# KiCad board MurPhySDR.kicad_pcb (continued)
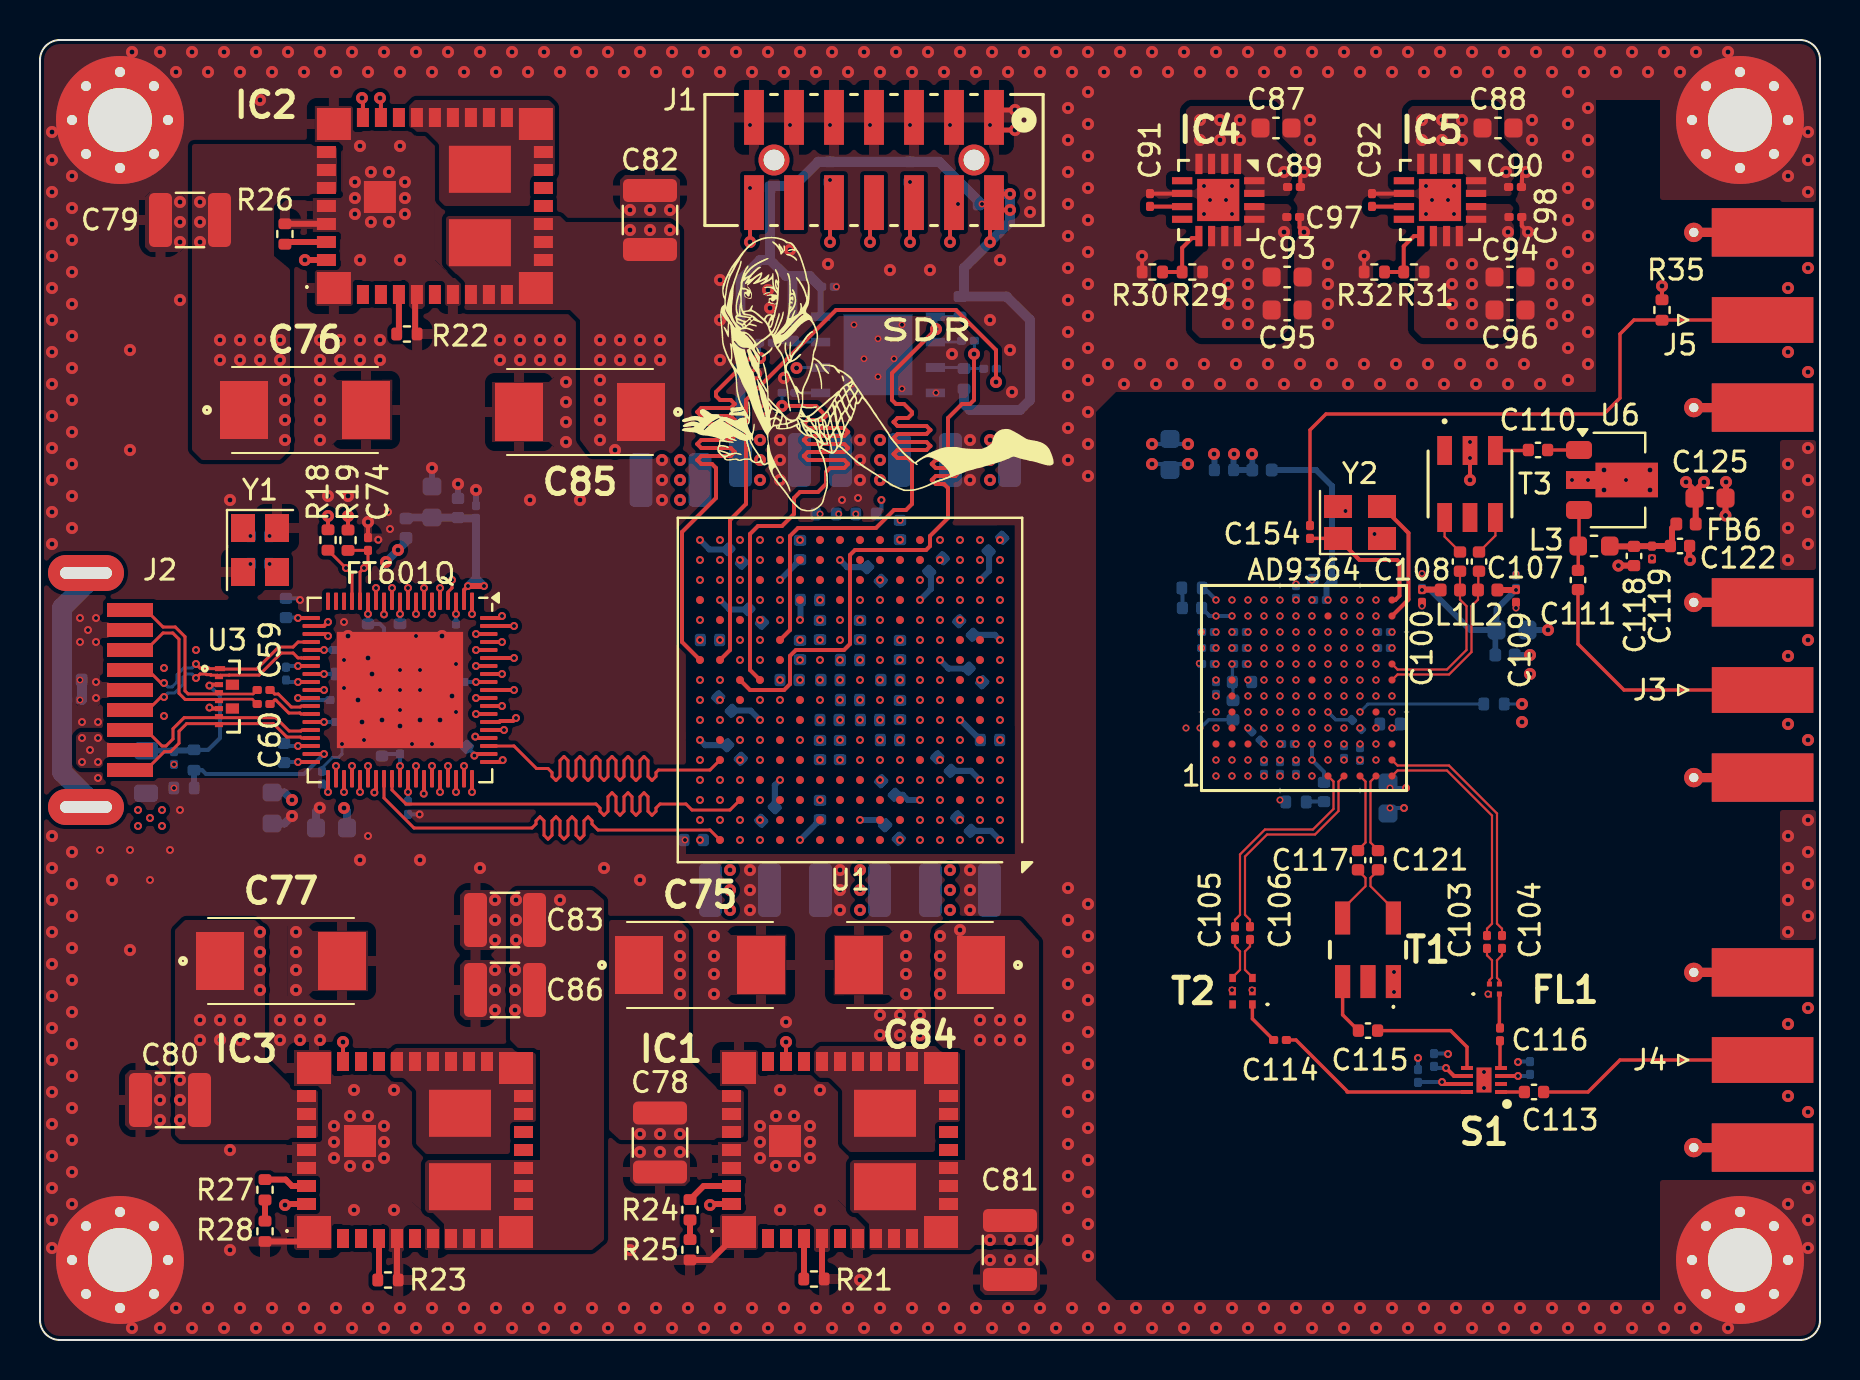
[diagram p0: board, top side]
## Nets (continued)
/AD9364/IO/AD93_XTALN: C154.1 U5.M12 Y2.1
/AD9364/IO/AD93_XTALP: U5.M11 Y2.3
/AD9364/RF/RF_RX-0: C113.1 S1.1
/AD9364/RF/RF_RX-1: C113.2 J4.1
/AD9364/RF/RF_RX-A-0: C116.1 FL1.2
/AD9364/RF/RF_RX-A-1: C116.2 S1.4
/AD9364/RF/RF_RX-B-0: C114.1 T2.1
/AD9364/RF/RF_RX-B-1: C114.2 S1.8
/AD9364/RF/RF_RX-C-0: C115.1 T1.3
/AD9364/RF/RF_RX-C-1: C115.2 S1.5
/AD9364/RF/RF_RX_A_0_N: C104.1 U5.M2
/AD9364/RF/RF_RX_A_0_P: C103.1 U5.M1
/AD9364/RF/RF_RX_A_1_N: C104.2 FL1.3
/AD9364/RF/RF_RX_A_1_P: C103.2 FL1.4
/AD9364/RF/RF_RX_B_0_N: C106.1 U5.J1
/AD9364/RF/RF_RX_B_0_P: C105.1 U5.H1
/AD9364/RF/RF_RX_B_1_N: C106.2 T2.3
/AD9364/RF/RF_RX_B_1_P: C105.2 T2.4
/AD9364/RF/RF_RX_C_0_N: C121.1 U5.L1
/AD9364/RF/RF_RX_C_0_P: C117.1 U5.K1
/AD9364/RF/RF_RX_C_1_N: C121.2 T1.6
/AD9364/RF/RF_RX_C_1_P: C117.2 T1.4
/AD9364/RF/RF_TX-0: C110.1 T3.3
/AD9364/RF/RF_TX-1: C110.2 U6.1
/AD9364/RF/RF_TX-2: C111.1 L3.2 U6.3
/AD9364/RF/RF_TX-3: C111.2 J3.1
/AD9364/RF/RF_TX_0_N: C108.1 L1.2 U5.M8
/AD9364/RF/RF_TX_0_P: C107.1 L2.2 U5.M7
/AD9364/RF/RF_TX_1_N: C108.2 T3.6
/AD9364/RF/RF_TX_1_P: C107.2 T3.4
/FT601Q/FT-X_N: C64.1 U4.21 Y1.3
/FT601Q/FT-X_P: C54.1 U4.22 Y1.1
/FT601Q/FT_USB_SSTX_B_N: C59.2 U4.31
/FT601Q/FT_USB_SSTX_B_P: C60.2 U4.32
/power-supply/PW1.0-PH: IC1.17 IC1.18 IC1.19 IC1.20 IC1.21 IC1.22 IC1.23 IC1.24 IC1.25 IC1.39
/power-supply/PW1.8-PH: IC2.17 IC2.18 IC2.19 IC2.20 IC2.21 IC2.22 IC2.23 IC2.24 IC2.25 IC2.39
/power-supply/PW3.3-PH: IC3.17 IC3.18 IC3.19 IC3.20 IC3.21 IC3.22 IC3.23 IC3.24 IC3.25 IC3.39
FPGA_CFG_CCLK: U1.E8 U2.6
FT_USB_D_N: J2.2 U3.2 U4.25
FT_USB_D_P: J2.3 U3.1 U4.23
FT_USB_SSRX_N: J2.8 U3.7 U4.34
FT_USB_SSRX_P: J2.9 U3.8 U4.35
FT_USB_SSTX_N: C59.1 J2.5 U3.4
FT_USB_SSTX_P: C60.1 J2.6 U3.5
FTDI_BE_0: U1.R15 U4.4
FTDI_BE_1: U1.P15 U4.5
FTDI_BE_2: U1.N14 U4.6
FTDI_BE_3: U1.R13 U4.7
FTDI_CLK: U1.E13 U4.58
FTDI_DATA_0: U1.D16 U4.40
FTDI_DATA_1: U1.B16 U4.41
FTDI_DATA_2: U1.E16 U4.42
FTDI_DATA_3: U1.B15 U4.43
FTDI_DATA_4: U1.G16 U4.44
FTDI_DATA_5: U1.C16 U4.45
FTDI_DATA_6: U1.A15 U4.46
FTDI_DATA_7: U1.C14 U4.47
FTDI_DATA_8: U1.D15 U4.50
FTDI_DATA_9: U1.A14 U4.51
FTDI_DATA_10: U1.G15 U4.52
FTDI_DATA_11: U1.B14 U4.53
FTDI_DATA_12: U1.F14 U4.54
FTDI_DATA_13: U1.C13 U4.55
FTDI_DATA_14: U1.D14 U4.56
FTDI_DATA_15: U1.A13 U4.57
FTDI_DATA_16: U1.E15 U4.60
FTDI_DATA_17: U1.G14 U4.61
FTDI_DATA_18: U1.F13 U4.62
FTDI_DATA_19: U1.H16 U4.63
FTDI_DATA_20: U1.H13 U4.64
FTDI_DATA_21: U1.G12 U4.65
FTDI_DATA_22: U1.J16 U4.66
FTDI_DATA_23: U1.K13 U4.67
FTDI_DATA_24: U1.H12 U4.69
FTDI_DATA_25: U1.J15 U4.70
FTDI_DATA_26: U1.L13 U4.71
FTDI_DATA_27: U1.L14 U4.72
FTDI_DATA_28: U1.M12 U4.73
FTDI_DATA_29: U1.M16 U4.74
FTDI_DATA_30: U1.N12 U4.75
FTDI_DATA_31: U1.N13 U4.76
FTDI_OE: U1.T15 U4.13
FTDI_RD: U1.P16 U4.12
FTDI_RESET: C74.1 R19.2 U1.T13 U4.15
FTDI_RXF: U1.R16 U4.9
FTDI_TXE: U1.P14 U4.8
FTDI_WAKEUP: R18.2 U1.T12 U4.16
FTDI_WR: U1.T14 U4.11
RF-SWITCH_A: C124.1 S1.3 U1.A5
RF-SWITCH_B: C120.1 S1.7 U1.A4
RF-SWITCH_C: C123.1 S1.6 U1.B4
RFE_CLK_OUT: U1.C4 U5.J6
RFE_CTRL_IN0: U1.H1 U5.C5
RFE_CTRL_IN1: U1.H5 U5.C6
RFE_CTRL_IN2: U1.G5 U5.D6
RFE_CTRL_IN3: U1.F4 U5.D5
RFE_CTRL_OUT0: U1.E3 U5.D4
RFE_CTRL_OUT1: U1.E6 U5.E4
RFE_CTRL_OUT2: U1.D1 U5.E5
RFE_CTRL_OUT3: U1.G4 U5.E6
RFE_CTRL_OUT4: U1.F3 U5.F6
RFE_CTRL_OUT5: U1.D5 U5.F5
RFE_CTRL_OUT6: U1.E1 U5.F4
RFE_CTRL_OUT7: U1.D6 U5.G4
RFE_DATA_CLK_P: U1.F5 U5.G11
RFE_EN_AGC: U1.B5 U5.G5
RFE_ENABLE: U1.B1 U5.G6
RFE_FB_CLK_P: U1.D4 U5.F10
RFE_P0D0: U1.P5 U5.E12
RFE_P0D1: U1.M4 U5.D11
RFE_P0D2: U1.N4 U5.E11
RFE_P0D3: U1.L5 U5.D10
RFE_P0D4: U1.M2 U5.E10
RFE_P0D5: U1.L4 U5.D9
RFE_P0D6: U1.M5 U5.E9
RFE_P0D7: U1.J5 U5.D8
RFE_P0D8: U1.K5 U5.E8
RFE_P0D9: U1.J1 U5.D7
RFE_P0D10: U1.M1 U5.F8
RFE_P0D11: U1.H4 U5.E7
RFE_P1D0: U1.T3 U5.K11
RFE_P1D1: U1.T4 U5.J12
RFE_P1D2: U1.P3 U5.K10
RFE_P1D3: U1.R1 U5.J11
RFE_P1D4: U1.T2 U5.K9
RFE_P1D5: U1.P1 U5.J10
RFE_P1D6: U1.R2 U5.K8
RFE_P1D7: U1.R3 U5.J9
RFE_P1D8: U1.J4 U5.K7
RFE_P1D9: U1.K1 U5.J8
RFE_P1D10: U1.G1 U5.J7
RFE_P1D11: U1.N2 U5.H8
RFE_RESETB: R36.2 U1.P4 U5.K5
RFE_RX_FRAME_P: U1.N1 U5.G8
RFE_SPI_CLK: U1.A3 U5.J5
RFE_SPI_DI: U1.C1 U5.J4
RFE_SPI_DO: U1.A2 U5.L6
RFE_SPI_ENB: U1.B2 U5.K6
RFE_TX_FRAME_P: U1.N3 U5.G9
RFE_TXNRX: U1.C2 U5.H4
Net-(C100-Pad1): C99.1 C100.1 C102.1 C109.1 C112.1 FB5.1 L1.1 L2.1
Net-(C118-Pad1): C118.1 C119.1 C122.2 FB6.1 L3.1
Net-(C140-Pad1): C140.1 R33.1
Net-(C141-Pad1): C141.1 R34.1
Net-(IC1-PWRGD): IC1.27 IC2.28
Net-(IC1-RT/CLK): IC1.4 R21.1
Net-(IC1-VADJ): IC1.35 R24.1
Net-(IC2-PWRGD): IC2.27 IC3.28
Net-(IC2-RT/CLK): IC2.4 R22.1
Net-(IC2-VADJ): IC2.35 R26.1
Net-(IC3-RT/CLK): IC3.4 R23.1
Net-(IC3-VADJ): IC3.35 R27.1
Net-(IC4-ADJ): IC4.9 R29.2 R30.1
Net-(IC4-SS): C91.1 IC4.7
Net-(IC5-ADJ): IC5.9 R31.2 R32.1
Net-(IC5-SS): C92.1 IC5.7
Net-(J2-SHIELD): C48.1 FB2.1 J2.10
Net-(J5-In): C154.2 J5.1 R35.1
Net-(R24-Pad2): R24.2 R25.1
Net-(R27-Pad2): R27.2 R28.1
Net-(U1A-IO_L1N_T0_D01_DIN_14): R5.2 U1.J14
Net-(U1A-IO_L1P_T0_D00_MOSI_14): R4.2 U1.J13
Net-(U1A-IO_L2N_T0_D03_14): R7.2 U1.K16
Net-(U1A-IO_L2P_T0_D02_14): R6.2 U1.K15
Net-(U1A-IO_L6P_T0_FCS_B_14): R1.2 U1.L12 U2.1
Net-(U1C-DONE_0): R10.2 U1.H10
Net-(U1C-INIT_B_0): R11.2 U1.K10
Net-(U1C-PROGRAM_B_0): J1.14 R12.2 U1.L9
Net-(U1C-TCK_0): J1.6 R13.2 U1.L7
Net-(U1C-TDI_0): J1.10 R8.2 U1.N7
Net-(U1C-TDO_0): J1.8 U1.N8
Net-(U1C-TMS_0): J1.4 R9.2 U1.M7
Net-(U2-RESET#/SIO3): R2.2 R7.1 U2.7
Net-(U2-SI/SIO0): R4.1 U2.5
Net-(U2-SO/SIO1): R5.1 U2.2
Net-(U2-WP#/SIO2): R3.2 R6.1 U2.3
Net-(U4A-VBUS): R15.1 R16.1 U4.37
Net-(U4B-~{SIWU}): R17.2 U4.10
Net-(U4C-RREF): R14.1 U4.27
Net-(U5E-RX_VCO_LDO_OUT): C141.2 U5.G2 U5.G3
Net-(U5E-TX_VCO_LDO_OUT): C140.2 U5.A11 U5.B11
Net-(U5E-VDD_GPO): C138.1 C145.1 FB7.1 U5.B8
Net-(U5E-VDD_INTERFACE): C139.1 C144.1 FB8.1 U5.H12
Net-(U5H-RBIAS): R37.2 U5.L4

Pads without a net: IC1 2 3 6 15 16 26 28; IC2 2 3 6 15 16 26; IC3 2 3 6 15 16 26 27; IC4 5 8; IC5 5 8; J1 12 15 16; S1 2; T1 2; T2 6; T3 1 5; U1 A7 A8 A9 A10 A12 B6 B7 B9 B10 B11 B12 C3 C6 C7 C8 C9 C11 C12 D3 D8 D9 D10 D11 D13 E2 E5 E11 E12 F2 F12 F15 G2 G11 H2 H3 H11 H14 J3 K2 K3 K12 L2 L3 M6 M14 M15 N6 N9 N11 N16 P6 P8 P9 P10 P11 P13 R5 R6 R7 R8 R10 R11 R12 T5 T7 T8 T9 T10; U3 11 14; U4 17 18 19; U5 A3 B3 B4 B5 B6 B7 C3 G7 H11 L5 M3

## Via types
v1: diameter 0.6, hole 0.25, Top to Bottom, 767 vias
v2: diameter 0.4, hole 0.2, Top to Bottom, 140 vias
v3: diameter 0.35, hole 0.2, Top to Bottom, 373 vias

## Routing (per net, layer and track width the routed paths; a pad name or vN(x,y) marks a point on that pad's centre or on a via; arc(x,y) is an arc through that point)
+1V0: length 26.3
  Top w0.3: IC1.36 33.55,6.8 v1(33.5,6.75)
  In2.Cu w0.3: v1(46,20.5) 46,8.5 44.8,7.3 34.05,7.3 v1(33.5,6.75)
  vias: v1(41,23.5) v1(41,22.5) v1(41,21.5) v1(45,20.2) v1(45,19.2) v1(45,18.3) v1(45,17.3) v1(47,16) v1(47,15) v1(47.5,5) v1(48,16) v1(48,15) v1(48.5,5) v1(49,16) v1(49,15) v1(49.5,5) v3(38,30) v3(39,29) v3(40,34) v3(40,32) v3(40,30) v3(41,35) v3(41,31) v3(41,30) v3(42,30) v3(43,33) v3(43,31)
+1V3_A: length 1
  Bottom w0.2: v2(68.3,27.6) 67.68,27.6 C129.1
  vias: v1(59.4,53.8) v1(59.4,52.8) v1(59.4,51.8) v1(59.4,50.8) v1(60.4,53.8) v1(60.4,52.8) v1(60.4,51.8) v1(60.4,50.8) v1(62.2,55.4) v3(59.6,35.4) v3(59.6,34.6) v3(62,29) v3(62.8,29) v3(65.2,29.8) v3(66,29.8) v3(67.5,27.6)
+1V3_B: length 5
  Bottom w0.15: 66.03,30.6 v3(66,30.6) 66.08,30.6
  Bottom w0.17: FB7.2 59.65,31.01 58.43,31.01 58.02,30.6
  Bottom w0.2: v1(55.6,43.8) 56.2,43.8 C130.1 56.8,43.8 v1(57.4,43.8)
  Bottom w0.3: v1(74.5,34.25) FB5.2 ; C151.1 v3(61.2,29.8)
  vias: v1(70.6,53.8) v1(70.6,52.8) v1(70.6,51.8) v1(70.6,50.8) v1(71.6,53.8) v1(71.6,52.8) v1(71.6,51.8) v1(71.6,50.8) v1(73.4,55.4) v3(58,30.6) v3(58.8,35.4) v3(58.8,34.6) v3(58.8,33.8) v3(58.8,33) v3(61.2,29) v3(62,29.8) v3(62.8,37) v3(67.6,35.4) v3(67.6,34.6)
+1V8: length 29.4
  Top w0.3: 30.9,54.53 30.54,54.53 ; 30.5,54.56 30.51,54.55 ; 30.47,54.53 30.49,54.53 ; IC2.36 v1(13.25,54)
  In2.Cu w0.3: v1(28.75,44.5) 27.62,44.5 27.2,44.93 27.2,52.05 26,53.25 14,53.25 v1(13.25,54)
  Bottom w0.15: R36.1 v1(74.1,31.8)
  Bottom w0.3: v1(59.7,44.3) 59.68,44.28 C150.1 60.62,43.5 60.62,44.28 v1(60.6,44.3)
  Bottom w0.5: 48.47,43.75 48.25,43.75 48.25,43.97 48.47,43.75 ; 48.47,43.75 48.43,43.8
  vias: v1(28,50) v1(28,49) v1(28,48) v1(28,47) v1(28,46) v1(28,45) v1(29,50) v1(29,49) v1(29.5,55.5) v1(30,50) v1(30,49) v1(30.5,55.5) v1(31,50) v1(31,49) v1(31.5,55.5) v1(42,45) v1(42,44) v1(42,43) v1(45.5,23.5) v1(45.5,22.5) v1(45.5,21.5) v1(47.5,45) v1(47.5,44) v1(47.5,43) v1(58,61) v1(58,60) v1(59,61) v1(59,60) v1(60,61) v1(60,60) v1(62.2,58.4) v1(69.1,61) v1(69.1,60) v1(70.1,61) v1(70.1,60) v1(71.1,61) v1(71.1,60) v1(73.3,58.4) v3(38,34) v3(39,35) v3(39,33) v3(39,31) v3(42,28) v3(43,40.98) v3(43,25) v3(45,39) v3(45,29) v3(46,36) v3(46,26) v3(47,33) v3(48,40) v3(48,30)
+1Vcore-FT: length 41.7
  Top w0.2: 18,28.5 v2(18,28.7) U4.48 ; U4.39 v2(14.4,27.4) ; 13.1,32.1 v2(12.9,32.1) U4.30 ; U4.33 v2(14.2,30.9) 14,30.9 ; U4.3 v2(20.8,36.3)
  In5.Cu w0.4: v2(20.8,36.3) 20.8,34.8 20.2,34.2 17.88,34.2 15.6,36.48 15.6,37.2 ; v2(18,28.7) 18,27.8 16.8,26.6 v1(15.2,26.6) v2(14.4,27.4) 13.76,28.04 13.76,29.96 14.2,30.4 v2(14.2,30.9) 13.3,30.9 12.9,31.3 v2(12.9,32.1) 13.6,32.8 13.6,36.2 14.6,37.2 15.6,37.2 ; 15.6,37.2 v1(17.3,38.9) v1(17.9,39.5)
  Bottom w0.2: C66.1 13,32 v2(12.9,32.1) ; C53.1 17.2,29.3 C63.1 v2(18,28.7) ; C70.1 14.4,27.5 v2(14.4,27.4) ; C57.1 v2(20.8,36.3) ; v2(14.2,30.9) C68.1
  Bottom w0.3: v1(17.3,38.9) 17.2,38.8
  Bottom w0.4: v1(17.3,38.9) 18.3,39.9 FB3.1 ; C50.1 15.35,26.45 v1(15.2,26.6)
+3V3: length 115.7
  Top w0.2: 47.5,56.87 47.87,56.5 v1(48.5,56.5) ; 47.5,56.87 v1(47.5,54.9) ; 47.5,56.87 47.93,57.3 v1(48.5,57.3) ; 13.1,36.1 v2(12.9,36.1) U4.20 ; U4.38 v2(12.9,28.9) 13.1,28.9 ; R18.1 v1(14.4,41.2) ; v2(21.72,29.22) 21.75,29.22 21.83,29.3 ; 18.4,27.6 v2(18.4,27.4) U4.49 ; U4.28 v2(12.9,32.9) 13.1,32.9 ; 21.83,29.3 U4.59 ; 21.83,29.3 22,29.3 ; R19.1 v1(15.4,41.2) ; U4.68 v2(21.8,32.9) ; U4.14 v2(16.4,36.3) 16.4,36.5 ; U4.24 14,34.5
  Top w0.3: IC3.36 12.3,6.8 v1(12.25,6.75)
  In2.Cu w0.3: v1(26,22) 26,9 24.3,7.3 12.8,7.3 v1(12.25,6.75)
  In5.Cu w0.3: v3(39,27) 40,27 v3(42,29) ; v3(43,35) 42.5,34.5 40.8,34.5 40.5,34.8 40.5,35.5 v3(40,36) v3(39,37) 39,37.6 39.4,38 v3(42,38)
  Bottom w0.2: 12.3,32.88 12.32,32.9 v2(12.9,32.9) ; v2(21.8,32.9) C73.1 ; v2(12.9,36.1) 12.88,36.12 C62.1 ; v2(16.4,36.3) 16.4,36 ; C52.1 17,35.8 17.2,35.6 17.2,35 17.41,34.79 R17.1 ; C67.1 12.23,28.9 v2(12.9,28.9) ; C56.1 v2(14.2,34.5) ; C71.1 21.72,29.28 v2(21.72,29.22) ; C69.1 v2(18.4,27.4)
  Bottom w0.3: U2.8 39.03,52.55
  Bottom w0.4: v1(12.6,27) 12.22,27.38 C49.1
  Bottom w0.5: v3(47.1,56.8) 47.4,56.8 47.9,57.3 v1(48.5,57.3) v1(48.5,56.5) 48.5,55.9 v1(47.5,54.9) 46.2,53.6 46.2,52.17 48.33,52.17 49.5,51 49.5,47 49,46.5 46.5,46.5 46.2,46.8 R3.1 ; C1.1 35.03,53.03 36,54 36.5,54 ; 36.5,54 37.3,53.2 38.48,53.2 ; 36.5,54 36.5,57.69 36.51,57.7 37.7,57.7 38.91,58.91 R8.1 R13.1 44.96,58.91 46.91,56.96 R9.1 ; 38.48,53.2 37.7,53.2 37.62,53.12 R2.1 ; 38.48,53.2 39.02,52.66
  vias: v1(23.8,22) v1(23.8,21) v1(23.8,20) v1(23.75,18.5) v1(23.75,17.5) v1(23.75,16.5) v1(32,44) v1(32,43) v1(32,42) v1(34.5,23.5) v1(34.5,22.5) v1(34.5,21.5) v1(36,45) v1(36,44) v1(36,43) v3(33,35) v3(33,25) v3(34,32) v3(35,39) v3(35,29) v3(36,36) v3(36,26) v3(37,33) v3(38,40) v3(39.93,41.3) v3(40.79,41.3)
+5V: length 3.3
  Top w0.3: C125.1 82.72,42.43 v1(83.2,42.9) ; C125.1 82.78,42.04 82.78,40.8 ; C125.1 82.72,42.47 v1(82.3,42.9)
  vias: v1(7,13) v1(7,12) v1(7,11) v1(8,56.9) v1(8,55.9) v1(8,54.9) v1(8,16) v1(8,15) v1(9,50) v1(9,49) v1(9,16) v1(9,15) v1(10,50) v1(10,49) v1(10,16) v1(10,15) v1(11,50) v1(11,49) v1(11,20.4) v1(11,19.4) v1(11,18.5) v1(11,17.5) v1(12,50) v1(12,49) v1(12.25,48) v1(12.25,47) v1(12.25,46) v1(12.25,45) v1(30,10.3) v1(31,10.3) v1(32,20.2) v1(32,19.2) v1(32,18.3) v1(32,17.3) v1(32,10.3) v2(4.9,26.5) v2(4.9,25.7) v2(5.5,26.1) v2(6.1,26.5) v2(6.1,25.7)
AVDD_FT: length 9.6
  Top w0.2: U4.2 21.2,37.5 v2(21.4,37.7)
  Top w0.3: v2(21.4,37.7) v2(22.2,37.7)
  Bottom w0.3: 19.91,41.12 19.7,41.32
  Bottom w0.4: v2(22.2,37.7) 21.8,38.1 ; 21.8,38.1 C61.1 20.94,41.08 C55.1 19.6,41.12 C51.1 18.35,41.12 FB3.2 ; 21.8,38.1 v2(21.4,37.7)
GND: length 89.1
  Top w0.2: v1(66.21,54.21) R32.2 ; 21.6,36.5 U4.1 v2(21.6,36.3) ; U4.29 v2(14.2,32.5) 14,32.5 ; 63.14,57.65 63.02,57.77 63.02,58.22 v1(63.2,58.4) ; v2(8.47,31.62) 8.52,31.57 U3.6 ; v1(74.4,55.4) 74.09,55.71 C98.2 ; IC4.6 57.1,57.32 C91.2 ; C90.2 74.1,57.68 74.1,58.2 74.24,58.34 ; U4.36 v2(12.9,29.7) 13.1,29.7 ; R30.2 55.11,54.19 v1(55.1,54.2) ; C97.2 62.98,55.62 v1(63.2,55.4) ; 36.85,43.06 37.04,42.87 ; C92.2 68.19,57.32 IC5.6 ; U4.26 v2(12.9,33.7) 13.1,33.7 ; 16.4,40.18 v1(16.4,40.9) ; v3(71.5,44.1) v1(71.5,43) ; R35.2 v1(81.1,52.7)
  Top w0.25: v1(48.75,60.5) 47.75,60.5 v3(47.5,60.75) ; 47.5,61.13 47.87,61.5 v1(48.75,61.5)
  Top w0.3: R21.2 39.1,3.16 IC1.5 ; v1(84.28,41.22) C125.2 84.3,42.12 v1(84.3,42.9) ; R26.2 14.31,55.81 ; IC1.1 33.55,4 R25.2 ; 18.76,50.3 18.76,52.18 ; IC3.1 13.22,4.93 R28.2 ; v1(82.5,39) 82.46,39.04 82.46,39.7 ; v1(78.92,38.72) C118.2 ; IC3.5 17.85,3.09
  Bottom w0.15: v2(15.1,29.8) 15.1,29.3 14.93,29.12 14.62,29.12 14.1,28.6 C70.2
  Bottom w0.17: 65.57,31.03 65.56,31.01 64.79,31.01 v3(64.4,31.4)
  Bottom w0.2: C56.2 15.32,35.12 v1(15.4,35.2) ; v2(12.9,29.7) 12.33,29.7 C67.2 ; 68.1,26.6 67.68,26.6 C129.2 ; C123.2 70.38,14.32 v2(70.4,14.3) ; C66.2 v1(15.9,32) ; R33.2 58.2,37.6 v3(58.8,37) ; v1(57.4,44.8) 56.75,44.8 56.65,44.9 56.4,44.9 56.4,45.15 C130.2 56.25,44.8 v1(55.6,44.8) ; C62.2 12.92,37.08 v2(13,37) ; v1(20.1,35.2) 20.14,35.16 C57.2 ; v1(20.6,32.2) 20.56,32.24 C73.2 ; v2(12.9,33.7) 12.48,33.7 ; C120.2 v2(68.9,14.1) ; C53.2 v1(17.1,31) ; v2(73.9,13.9) 73.92,13.92 C124.2 ; C63.2 v1(18,30.7) ; C71.2 v1(20,31) ; C69.2 v2(18.98,26.28) ; C52.2 v1(16.4,34.1) ; R14.2 v1(16.6,33.3) ; C68.2 v1(16.1,30.9)
  Bottom w0.25: v3(67.6,30.6) 67.81,30.6 R37.1
  Bottom w0.3: 34.42,39.58 34.37,39.53 33.47,39.53 v3(33,40) ; C11.2 47.46,39.41 47.46,38.46 v3(47,38) ; v3(46,31) 46.02,31 C27.2 ; C13.2 40.36,38.64 v3(40,39) ; C150.2 58.72,44.28 v1(58.7,44.3) ; 21.8,41.78 v1(21.8,42.5) ; C51.2 v1(19.6,43.6) ; C31.2 42.16,25.74 41.9,26 v3(41,26) ; C39.2 47.54,25.46 v3(48,25) ; v3(38,25) 39,26 C30.2 ; v3(44,27) 43.4,27 43.14,27.26 C36.2 ; v3(37,28) 36.74,27.74 C28.2 ; v3(36,31) 35.53,31.47 34.65,31.47 34.64,31.46 ; v3(44,37) 44.54,37.54 44.54,38.28 44.36,38.46 ; C16.2 38.02,36.02 v3(38,36) ; v3(47,28) 46.54,28.46 C29.2 ; 35.42,36.58 35.37,36.53 34.47,36.53 v3(34,37) ; C99.2 v1(75.4,35.5) ; v3(48,35) 47.74,35.26 C21.2 ; C33.2 45.43,33.57 v3(45,34) ; C20.2 38,39 v3(37,38) ; C26.2 33.26,29.74 v3(33,30) ; v1(20.9,42.8) C55.2
  Bottom w0.4: 13.8,25.8 13.8,26.43 v1(13.99,26.61) ; C49.2 12.22,25.82 v1(12.6,26.2)
  Bottom w0.5: 2.1,32 2.1,32.99 FB2.2
  vias: v1(0.6,60.4) v1(0.6,59) v1(0.6,57.4) v1(0.6,55.8) v1(0.6,54.2) v1(0.6,52.6) v1(0.6,51) v1(0.6,49.4) v1(0.6,47.8) v1(0.6,46.2) v1(0.6,44.6) v1(0.6,43) v1(0.6,41.4) v1(0.6,39.8) v1(0.6,25.2) v1(0.6,23.6) v1(0.6,22) v1(0.6,20.4) v1(0.6,18.8) v1(0.6,17.2) v1(0.6,15.6) v1(0.6,14) v1(0.6,12.4) v1(0.6,10.8) v1(0.6,9.2) v1(0.6,7.6) v1(0.6,6) v1(0.6,4.6) v1(1.6,58.2) v1(1.6,56.6) v1(1.6,55) v1(1.6,53.4) v1(1.6,51.8) v1(1.6,50.2) v1(1.6,48.6) v1(1.6,47) v1(1.6,45.4) v1(1.6,43.8) v1(1.6,42.2) v1(1.6,40.6) v1(1.6,24.4) v1(1.6,22.8) v1(1.6,21.2) v1(1.6,19.6) v1(1.6,18) v1(1.6,16.4) v1(1.6,14.8) v1(1.6,13.2) v1(1.6,11.6) v1(1.6,10) v1(1.6,8.4) v1(1.6,6.8) v1(3.6,23) v1(4.5,49.5) v1(4.5,44.5) v1(4.5,19.5) v1(4.6,64.4) v1(4.6,0.6) v1(6,64.4) v1(6,13) v1(6,12) v1(6,11) v1(6,0.6) v1(6.8,63.4) v1(6.8,1.6) v1(7,56.9) v1(7,55.9) v1(7,54.9) v1(7,52) v1(7.6,64.4) v1(7.6,0.6) v1(8.4,63.4) v1(8.4,1.6) v1(9.2,64.4) v1(9.2,0.6) v1(9.5,42) v1(9.5,9.5) v1(9.5,4.5) v1(10,63.4) v1(10,1.6) v1(10.8,64.4) v1(10.8,0.6) v1(11,62) v1(11.6,63.4) v1(11.6,1.6) v1(12,16) v1(12,15) v1(12.4,64.4) v1(12.4,0.6) v1(12.8,20.4) v1(12.8,19.4) v1(12.8,18.5) v1(12.8,17.5) v1(13,16) v1(13,15) v1(13.2,63.4) v1(13.2,1.6) v1(14,64.4) v1(14,50) v1(14,49) v1(14,48) v1(14,47) v1(14,46) v1(14,45) v1(14,16) v1(14,15) v1(14,0.6) v1(14.4,42.2) v1(14.7,10.7) v1(14.7,9.9) v1(14.7,9.1) v1(14.8,63.4) v1(14.8,1.6) v1(15,50) v1(15,49) v1(15.4,42.2) v1(15.5,11.2) v1(15.5,8.7) v1(15.6,64.4) v1(15.6,0.6) v1(15.75,57.9) v1(15.75,57.1) v1(15.75,56.3) v1(15.7,12.5) v1(15.7,6.5) v1(16,59.7) v1(16,54) v1(16,50) v1(16,49) v1(16,24) v1(16.4,63.4) v1(16.4,11.2) v1(16.4,8.7) v1(16.4,1.6) v1(16.55,58.4) v1(16.55,55.9) v1(17,50) v1(17,49) v1(17.2,64.4) v1(17.2,10.7) v1(17.2,9.9) v1(17.2,9.1) v1(17.2,0.6) v1(17.45,58.4) v1(17.45,55.9) v1(17.7,12.5) v1(17.7,6.5) v1(18,63.4) v1(18,59.7) v1(18,54) v1(18,1.6) v1(18.25,57.9) v1(18.25,57.1) v1(18.25,56.3) v1(18.8,64.4) v1(18.8,0.6) v1(19,31) v1(19,24) v1(19.6,63.4) v1(19.6,1.6) v1(20.4,64.4) v1(20.4,0.6) v1(21.2,63.4) v1(21.2,1.6) v1(22,64.4) v1(22,23.6) v1(22,0.6) v1(22.8,63.4) v1(22.75,22) v1(22.75,21) v1(22.75,20) v1(22.75,18.5) v1(22.75,17.5) v1(22.75,16.5) v1(22.8,1.6) v1(23,50) v1(23,49) v1(23.6,64.4) v1(23.6,0.6) v1(24,50) v1(24,49) v1(24.4,63.4) v1(24.4,1.6) v1(24.5,42) v1(25,50) v1(25,49) v1(25.2,64.4) v1(25.2,0.6) v1(26,63.4) v1(26,50) v1(26,49) v1(26,1.6) v1(26.3,47.9) v1(26.3,46.9) v1(26.3,45.9) v1(26.3,44.9) v1(26.8,64.4) v1(26.8,0.6) v1(27,42) v1(27.6,63.4) v1(27.6,1.6) v1(28.2,23.6) v1(28.4,64.4) v1(28.4,0.6) v1(29.2,63.4) v1(29.2,1.6) v1(29.5,56.5) v1(29.5,4.5) v1(30,64.4) v1(30,23) v1(30,9.4) v1(30,0.6) v1(30.5,56.5) v1(30.8,63.4) v1(30.8,1.6) v1(31,9.4) v1(31.1,44) v1(31.1,43) v1(31.1,42) v1(31.5,56.5) v1(31.6,64.4) v1(31.6,0.6) v1(32,9.4) v1(32.4,63.4) v1(32.4,1.6) v1(33.2,64.4) v1(33.2,0.6) v1(33.7,20.2) v1(33.7,19.2) v1(33.7,18.3) v1(33.7,17.3) v1(34,63.4) v1(34,53) v1(34,51) v1(34,49) v1(34,1.6) v1(34.8,64.4) v1(34.8,0.6) v1(35.5,23.5) v1(35.5,22.5) v1(35.5,21.5) v1(35.6,63.4) v1(35.6,1.6) v1(35.8,48.3) v1(36,10.7) v1(36,9.9) v1(36,9.1) v1(36.2,46.5) v1(36.4,64.4) v1(36.4,52.5) v1(36.4,0.6) v1(36.5,51.6) v1(36.8,11.2) v1(36.8,8.7) v1(37,45) v1(37,44) v1(37,43) v1(37,12.5) v1(37,6.5) v1(37.2,63.4) v1(37.2,48.1) v1(37.2,1.6) v1(37.3,15.9) v1(37.5,54.5) v1(37.7,11.2) v1(37.7,8.7) v1(38,64.4) v1(38,0.6) v1(38.5,10.7) v1(38.5,9.9) v1(38.5,9.1) v1(38.8,63.4) v1(38.8,1.6) v1(39,12.5) v1(39,6.5) v1(39.4,53.8) v1(39.6,64.4) v1(39.6,0.6) v1(40,23.5) v1(40,22.5) v1(40,21.5) v1(40.4,63.4) v1(40.4,1.6) v1(41,45) v1(41,44) v1(41,43) v1(41,3) v1(41.2,64.4) v1(41.2,0.6) v1(42,63.4) v1(42,16.25) v1(42,15.25) v1(42,1.6) v1(42.5,53.5) v1(42.8,64.4) v1(42.8,0.6) v1(43,16.25) v1(43,15.25) v1(43.3,20.2) v1(43.3,19.2) v1(43.3,18.3) v1(43.3,17.3) v1(43.6,63.4) v1(43.6,1.6) v1(44,16.25) v1(44,15.25) v1(44.4,64.4) v1(44.4,0.6) v1(44.5,53.5) v1(45.2,63.4) v1(45.2,1.6) v1(45.6,49.3) v1(46,64.4) v1(46,0.6) v1(46.5,45) v1(46.5,44) v1(46.5,43) v1(46.5,23.5) v1(46.5,22.5) v1(46.5,21.5) v1(46.8,63.4) v1(46.8,1.6) v1(47.5,51) v1(47.5,4) v1(47.6,64.4) v1(47.6,0.6) v1(48,54) v1(48.4,63.4) v1(48.4,1.6) v1(48.5,49.5) v1(48.5,4) v1(48.6,47.4) v1(49.2,64.4) v1(49.2,0.6) v1(49.5,57.3) v1(49.5,56.4) v1(49.5,4) v1(50,63.4) v1(50,1.6) v1(50.8,64.4) v1(50.8,0.6) v1(51.4,61.6) v1(51.4,60) v1(51.4,58.4) v1(51.4,56.8) v1(51.4,55.2) v1(51.4,53.6) v1(51.4,52) v1(51.4,50.4) v1(51.4,48.8) v1(51.4,47.2) v1(51.4,45.6) v1(51.4,44) v1(51.4,22.6) v1(51.4,21) v1(51.4,19.4) v1(51.4,17.8) v1(51.4,16.2) v1(51.4,14.6) v1(51.4,13) v1(51.4,11.4) v1(51.4,9.8) v1(51.4,8.2) v1(51.4,6.6) v1(51.4,5) v1(51.6,63.4) v1(51.6,1.6) v1(52.4,64.4) v1(52.4,62.4) v1(52.4,60.8) v1(52.4,59.2) v1(52.4,57.6) v1(52.4,56) v1(52.4,54.4) v1(52.4,52.8) v1(52.4,51.2) v1(52.4,49.6) v1(52.4,48) v1(52.4,46.4) v1(52.4,44.8) v1(52.4,43.2) v1(52.4,21.8) v1(52.4,20.2) v1(52.4,18.6) v1(52.4,17) v1(52.4,15.4) v1(52.4,13.8) v1(52.4,12.2) v1(52.4,10.6) v1(52.4,9) v1(52.4,7.4) v1(52.4,5.8) v1(52.4,4.2) v1(52.4,0.6) v1(53.2,63.4) v1(53.2,1.6) v1(53.4,48.8) v1(54,64.4) v1(54,0.6) v1(54.2,47.8) v1(54.8,63.4) v1(54.8,1.6) v1(55,48.8) v1(55.6,64.4) v1(55.6,0.6) v1(55.8,47.8) v1(56.4,63.4) v1(56.4,1.6) v1(56.6,48.8) v1(57.2,64.4) v1(57.2,0.6) v1(57.4,47.8) v1(58,63.4) v1(58,1.6) v1(58.2,48.8) v1(58.8,64.4) v1(58.8,0.6) v1(59,47.8) v1(59.6,63.4) v1(59.6,1.6) v1(59.8,48.8) v1(60.4,64.4) v1(60.4,0.6) v1(60.6,47.8) v1(61.2,63.4) v1(61.2,1.6) v1(61.4,48.8) v1(62,64.4) v1(62,0.6) v1(62.2,47.8) v1(62.8,63.4) v1(62.8,1.6) v1(63,48.8) v1(63.5,61) v1(63.5,60) v1(63.6,64.4) v1(63.6,0.6) v1(63.8,47.8) v1(64.4,63.4) v1(64.4,53.8) v1(64.4,52.8) v1(64.4,51.8) v1(64.4,50.8) v1(64.4,1.6) v1(64.6,48.8) v1(65.2,64.4) v1(65.2,0.6) v1(65.4,47.8) v1(66,63.4) v1(66,1.6) v1(66.2,48.8) v1(66.8,64.4) v1(66.8,0.6) v1(67,47.8) v1(67.6,63.4) v1(67.6,1.6) v1(67.8,48.8) v1(68.4,64.4) v1(68.4,0.6) v1(68.6,47.8) v1(69.2,63.4) v1(69.2,1.6) v1(69.4,48.8) v1(70,64.4) v1(70,0.6) v1(70.2,47.8) v1(70.8,63.4) v1(70.8,1.6) v1(71,48.8) v1(71.6,64.4) v1(71.6,0.6) v1(71.8,47.8) v1(72.4,63.4) v1(72.4,1.6) v1(72.6,48.8) v1(73.2,64.4) v1(73.2,0.6) v1(73.4,47.8) v1(74,63.4) v1(74,1.6) v1(74.1,30.9) v1(74.2,48.8) v1(74.3,58.4) v1(74.5,33.3) v1(74.6,61) v1(74.6,60) v1(74.8,64.4) v1(74.8,0.6) v1(75,47.8) v1(75.6,63.4) v1(75.6,53.8) v1(75.6,52.8) v1(75.6,51.8) v1(75.6,50.8) v1(75.6,1.6) v1(76.4,64.4) v1(76.4,62.4) v1(76.4,60.8) v1(76.4,59.2) v1(76.4,57.6) v1(76.4,56) v1(76.4,54.4) v1(76.4,52.8) v1(76.4,51.2) v1(76.4,49.6) v1(76.4,48) v1(76.4,0.6) v1(77.2,63.4) v1(77.2,1.6) v1(77.4,61.6) v1(77.4,60) v1(77.4,58.4) v1(77.4,56.8) v1(77.4,55.2) v1(77.4,53.6) v1(77.4,52) v1(77.4,50.4) v1(77.4,48.8) v1(78,64.4) v1(78,0.6) v1(78.2,43.5) v1(78.2,42.5) v1(78.8,63.4) v1(78.8,1.6) v1(79.6,64.4) v1(79.6,0.6) v1(80.4,63.4) v1(80.4,1.6) v1(80.5,43.5) v1(80.5,42.5) v1(81.2,64.4) v1(81.2,0.6) v1(82,63.4) v1(82,1.6) v1(82.8,64.4) v1(82.8,0.6) v1(84.4,64.4) v1(84.4,0.6) v1(87.4,58.2) v1(87.4,52.6) v1(87.4,49.4) v1(87.4,43.8) v1(87.4,42.2) v1(87.4,40.6) v1(87.4,39) v1(87.4,34.2) v1(87.4,30.8) v1(87.4,25.2) v1(87.4,23.6) v1(87.4,22) v1(87.4,20.4) v1(87.4,15.8) v1(87.4,12.2) v1(87.4,6.8) v1(88.4,60.4) v1(88.4,59) v1(88.4,57.4) v1(88.4,53.6) v1(88.4,48.4) v1(88.4,44.6) v1(88.4,43) v1(88.4,41.4) v1(88.4,39.8) v1(88.4,35) v1(88.4,30) v1(88.4,26) v1(88.4,24.4) v1(88.4,22.8) v1(88.4,21.2) v1(88.4,16.6) v1(88.4,11.4) v1(88.4,7.6) v1(88.4,6) v1(88.4,4.6) v2(2,36.1) v2(2,34.9) v2(2.1,30.9) v2(2.4,35.5) v2(2.8,36.1) v2(2.8,34.9) v2(2.8,32.9) v2(2.8,32.1) v2(2.9,30.9) v2(2.9,28.1) v2(3,24.5) v2(4.5,24.5) v2(5.5,23) v2(6.2,33.6) v2(6.2,31.2) v2(6.5,24.5) v2(7,26.5) v2(7.8,34.5) v2(15.2,35.9) v2(15.2,34) v2(15.2,32.6) v2(16.2,30) v2(16.4,25.2) v2(16.91,40.01) v2(17,32.5) v2(17.4,41.4) v2(17.5,40.55) v2(18,33.5) v2(18,32.5) v2(18,31.5) v2(18.6,29.8) v2(18.8,35.2) v2(19,33.5) v2(19,32.5) v2(19.6,29.8) v2(20.8,33.8) v2(20.8,31.4) v2(40.1,42) v2(40.9,42.1) v2(58.2,57.7) v2(58.2,56.3) v2(59.6,57.7) v2(59.6,56.3) v2(68.2,26.6) v2(69.3,57.7) v2(69.3,56.3) v2(70.7,57.7) v2(70.7,56.3) v3(2,33) v3(2,32) v3(6.7,28.78) v3(6.7,27.6) v3(10.52,38.8) v3(11.48,40.2) v3(32.25,25) v3(34,35) v3(34,27) v3(35,34) v3(35.5,60.75) v3(37.5,60.75) v3(38,35) v3(38,33) v3(39,36) v3(39,30) v3(39.5,60.75) v3(39.82,52.66) v3(40,33) v3(40,31) v3(40,29) v3(40.58,47.8) v3(40.7,50.76) v3(41,36) v3(41,34) v3(41,33) v3(41,32) v3(41.2,49.06) v3(41.5,60.75) v3(41.9,50.06) v3(41.9,48.16) v3(42,34) v3(42,33) v3(42,32) v3(42,31) v3(42.7,49.06) v3(43,40.02) v3(43,34) v3(43,32) v3(43,30) v3(43.1,50.76) v3(43.1,47.56) v3(43.5,60.75) v3(44.8,47.36) v3(45.5,60.75) v3(57.3,30.6) v3(57.97,33.83) v3(58.08,35.4) v3(58.08,34.6) v3(58.5,57) v3(58.8,32.2) v3(58.8,31.4) v3(58.8,30.6) v3(58.8,29) v3(58.8,28.2) v3(59.3,57) v3(59.6,37) v3(59.6,29) v3(59.6,28.2) v3(59.6,17.5) v3(60.4,37) v3(60.4,36.2) v3(60.4,35.4) v3(60.4,34.6) v3(60.4,33.8) v3(60.4,33) v3(60.4,30.6) v3(60.4,29) v3(60.4,28.2) v3(60.6,17.5) v3(61.2,37) v3(61.2,28.2) v3(62,28.2) v3(62,27) v3(62.8,37.8) v3(62.8,36.2) v3(62.8,34.6) v3(62.8,33) v3(62.8,29.8) v3(62.8,28.2) v3(63.6,38) v3(63.6,37) v3(63.6,35.4) v3(63.6,28.2) v3(64.4,35.4) v3(64.4,34.6) v3(64.4,33) v3(64.4,32.2) v3(64.4,29.8) v3(64.4,29) v3(65.2,29) v3(65.28,41.45) v3(66,37) v3(66,29) v3(66.72,40.3) v3(66.8,37) v3(66.8,36.2) v3(66.8,35.4) v3(66.8,34.6) v3(66.8,33.8) v3(66.8,33) v3(66.8,29.8) v3(66.8,29) v3(67.5,26.6) v3(67.6,32.2) v3(67.6,31.4) v3(67.7,18.4) v3(67.7,17.4) v3(69.1,38.32) v3(69.1,36.7) v3(69.6,57) v3(70.4,57) v3(71.5,44.9) v3(72.2,13.4) v3(72.2,12.6) v3(72.4,17.3) v3(73.8,38.3) v3(73.8,36.6) v3(76.6,43) v3(77.4,43) v3(79.3,43) v3(80.6,39.1)
